# KiCad board USB Cable Tester.kicad_pcb (continued)
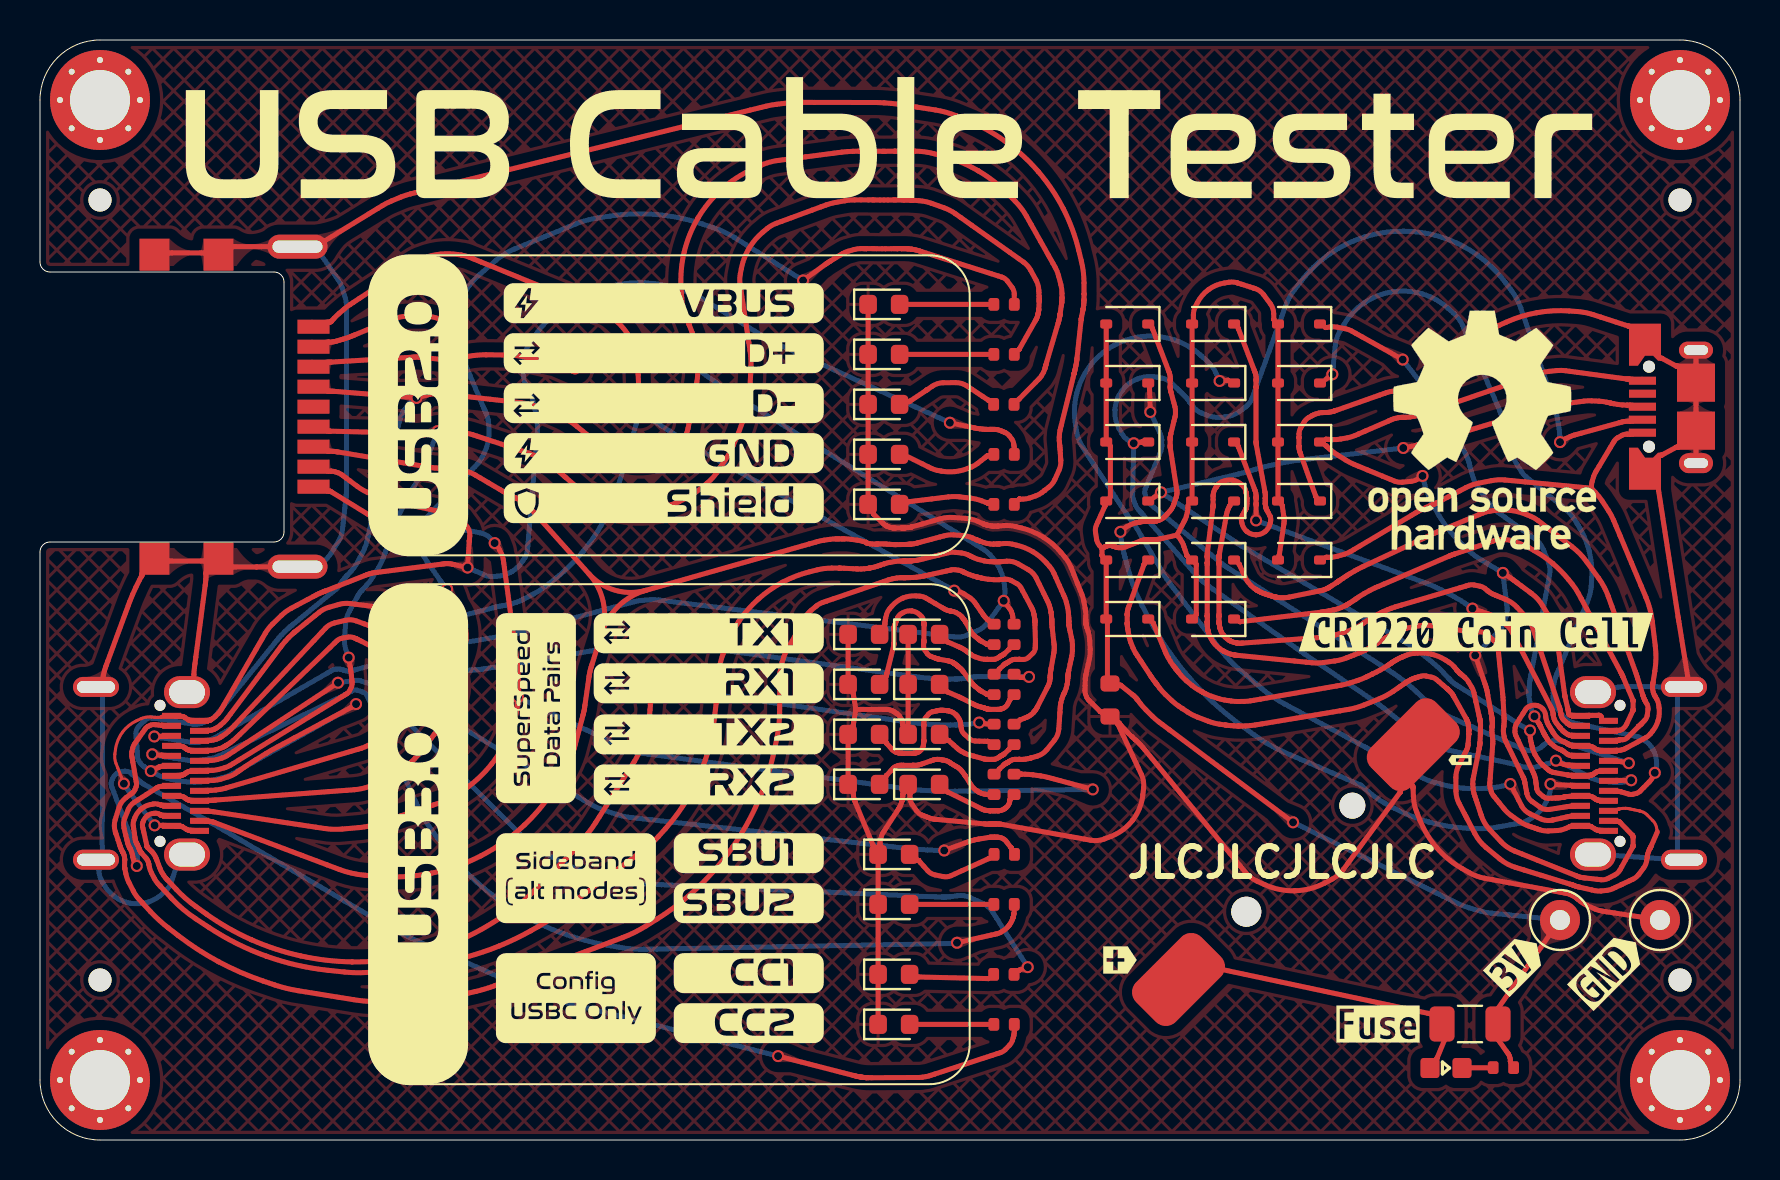
[diagram p0: board, top side]
## Routing (per net, layer and track width the routed paths; a pad name or vN(x,y) marks a point on that pad's centre or on a via; arc(x,y) is an arc through that point) (continued)
Net-(D7-K): length 41.2
  Top w0.25: v1(80.74,18.36) 80.74,18.36 arc(80.74,18.35) 80.73,18.34 80.71,18.28 arc(80.68,18.22) 80.65,18.15 80.57,18.03 arc(80.53,17.97) 80.48,17.92 79.99,17.43 arc(79.91,17.37) 79.83,17.33 79.64,17.29 arc(79.55,17.27) 79.45,17.29 79.01,17.42 arc(78.99,17.42) 78.98,17.43 78.95,17.43 arc(78.93,17.43) 78.91,17.43 78.84,17.43 arc(78.77,17.43) 78.71,17.44 J4.B8 ; v1(64.62,38.29) 64.28,38.02
  Bottom w0.25: v1(80.74,18.36) 80.8,18.52 arc(80.83,18.66) 80.83,18.81 80.82,18.96 arc(80.77,19.24) 80.65,19.52 arc(80.48,19.76) 80.27,19.95 80.15,20.04 arc(80.02,20.12) 79.88,20.16 77.52,20.67 76.67,20.85 arc(76.42,20.96) 76.21,21.14 75.84,21.59 arc(75.71,21.83) 75.66,22.1 75.66,22.51 arc(75.67,22.63) 75.68,22.74 75.73,22.97 arc(75.76,23.08) 75.8,23.19 75.94,23.52 76.97,25.96 77.39,26.96 arc(77.5,27.3) 77.55,27.65 77.58,28.01 arc(77.58,28.72) 77.47,29.43 arc(77.24,30.11) 76.91,30.74 76.71,31.04 arc(76.5,31.33) 76.24,31.58 75.4,32.26 74.77,32.78 74.32,33.15 arc(74.18,33.28) 74.06,33.43 73.85,33.76 arc(73.76,33.93) 73.7,34.12 73.65,34.32 arc(73.65,34.34) 73.64,34.35 73.61,34.46 arc(73.58,34.58) 73.54,34.7 73.15,35.98 73.08,36.19 arc(73.06,36.26) 73.04,36.33 72.98,36.47 arc(72.96,36.54) 72.93,36.6 72.84,36.8 71.12,40.74 arc(70.94,41.07) 70.68,41.34 70.4,41.59 arc(69.79,42.02) 69.09,42.31 arc(68.36,42.44) 67.61,42.41 arc(66.89,42.21) 66.23,41.86 arc(65.65,41.38) 65.2,40.79 65,40.46 arc(64.85,40.12) 64.77,39.75 v1(64.62,38.29)
Net-(D8-A): length 7.7
  Top w0.25: 47.39,19.93 47.38,19.93 arc(47.38,19.93) 47.38,19.93 46.76,19.95 arc(46.61,19.98) 46.47,20.07 46.21,20.29 arc(46.11,20.42) 46.06,20.57 46.02,20.87 arc(46.01,20.93) 45.99,20.98 45.94,21.08 arc(45.91,21.13) 45.88,21.17 45.77,21.28 arc(45.73,21.32) 45.67,21.36 45.57,21.41 arc(45.51,21.44) 45.45,21.45 45.33,21.47 arc(45.3,21.47) 45.28,21.48 arc(45.26,21.48) 45.23,21.48 45.11,21.49 arc(45.08,21.49) 45.05,21.49 45,21.49 arc(44.98,21.48) 44.95,21.48 44.62,21.41 arc(44.51,21.37) 44.43,21.29 44.27,21.1 arc(44.21,21) 44.19,20.88 44.19,20.77 arc(44.19,20.76) 44.19,20.75 44.19,20.74 arc(44.19,20.74) 44.19,20.73 arc(44.19,20.73) 44.19,20.73 44.19,20.72 arc(44.19,20.72) 44.19,20.71 44.19,19.98 arc(44.19,19.98) 44.19,19.97 44.19,19.96 arc(44.19,19.96) 44.19,19.96 arc(44.19,19.95) 44.19,19.95 44.19,19.91 arc(44.19,19.91) 44.19,19.91 arc(44.19,19.9) 44.19,19.9 44.18,19.83 arc(44.18,19.83) 44.18,19.82 44.17,19.71 arc(44.15,19.66) 44.13,19.61 44.06,19.51 arc(44.03,19.47) 43.98,19.44 43.87,19.38 arc(43.85,19.37) 43.83,19.36 43.78,19.35 arc(43.75,19.34) 43.73,19.34 43.67,19.33 arc(43.66,19.33) 43.64,19.33 arc(43.62,19.33) 43.61,19.33 43.2,19.33 arc(43.19,19.33) 43.17,19.33 arc(43.15,19.33) 43.14,19.33 43.12,19.33 arc(43.11,19.34) 43.11,19.34 arc(43.1,19.34) 43.1,19.34 43,19.34 arc(42.98,19.35) 42.97,19.35 arc(42.95,19.35) 42.94,19.35 42.9,19.36 arc(42.89,19.36) 42.87,19.37 42.79,19.4 arc(42.76,19.41) 42.73,19.43 42.67,19.47 arc(42.65,19.49) 42.62,19.51 42.32,19.84 arc(42.32,19.84) 42.32,19.84 42.32,19.84 arc(42.32,19.85) 42.32,19.85
Net-(D9-K): length 57.1
  Top w0.25: J4.B12 78.14,15.48 arc(78.07,15.48) 78.01,15.48 77.93,15.48 arc(77.9,15.48) 77.88,15.49 77.84,15.5 arc(77.82,15.51) 77.8,15.52 77.56,15.67 arc(77.55,15.67) 77.54,15.68 77.53,15.68 arc(77.52,15.68) 77.51,15.68 arc(77.5,15.68) 77.49,15.68 77.44,15.68 arc(77.37,15.68) 77.31,15.69 77.2,15.7 arc(77.02,15.7) 76.85,15.7 76.74,15.69 arc(76.67,15.68) 76.61,15.68 76.54,15.68 arc(76.54,15.68) 76.53,15.68 76.52,15.68 arc(76.51,15.68) 76.5,15.68 arc(76.5,15.67) 76.49,15.67 76.49,15.67 arc(76.48,15.66) 76.47,15.66 76.28,15.57 arc(76.07,15.5) 75.85,15.47 75.41,15.45 arc(75.19,15.46) 74.97,15.52 74.42,15.71 arc(74.19,15.8) 73.98,15.93 73.57,16.21 arc(73.38,16.37) 73.21,16.55 72.66,17.23 arc(72.61,17.31) 72.57,17.4 72.51,17.59 arc(72.49,17.68) 72.49,17.78 72.63,19.66 72.64,19.82 arc(72.64,19.87) 72.64,19.92 72.64,20.03 arc(72.63,20.08) 72.63,20.13 72.62,20.18 arc(72.62,20.18) 72.62,20.19 arc(72.62,20.19) 72.62,20.2 72.61,20.25 arc(72.6,20.31) 72.6,20.37 72.59,20.48 arc(72.6,20.54) 72.6,20.6 72.61,20.72 arc(72.61,20.76) 72.61,20.8 72.61,20.88 arc(72.61,20.92) 72.61,20.96 72.6,21.09 arc(72.6,21.12) 72.59,21.15 72.58,21.21 arc(72.58,21.24) 72.57,21.27 72.56,21.31 arc(72.56,21.33) 72.56,21.34 72.54,21.43 arc(72.52,21.54) 72.5,21.65 72.36,22.4 arc(72.35,22.45) 72.34,22.49 72.32,22.59 arc(72.3,22.64) 72.29,22.69 72.24,22.83 v1(71.76,24.23) ; J3.5 79.64,38.03 arc(79.57,38.04) 79.51,38.04 79.44,38.04 arc(79.42,38.04) 79.41,38.04 79.38,38.04 arc(79.37,38.05) 79.36,38.05 79.32,38.05 76.89,38.38 76.27,38.46 arc(76.06,38.48) 75.86,38.47 75.44,38.43 arc(75.23,38.4) 75.03,38.34 74.44,38.14 69.3,36.37 68.97,36.25 arc(68.86,36.22) 68.74,36.19 68.52,36.16 arc(68.4,36.14) 68.29,36.13 68.07,36.13 arc(67.99,36.13) 67.92,36.11 67.77,36.08 arc(67.69,36.06) 67.62,36.04 67.41,35.95 65.74,35.22 arc(65.57,35.16) 65.39,35.11 65.02,35.05 arc(64.84,35.02) 64.65,35.02 64.45,35.03 arc(64.43,35.03) 64.41,35.03 64.37,35.03 arc(64.35,35.03) 64.33,35.03 64.3,35.03 arc(64.3,35.03) 64.3,35.03 arc(64.3,35.03) 64.3,35.03 ; J4.B1 78.14,20.98 arc(78.09,21) 78.07,21.05 78.07,21.14 arc(78.07,21.16) 78.05,21.18 78.02,21.22 arc(77.99,21.23) 77.97,21.23 77.95,21.23 arc(77.94,21.23) 77.94,21.23 arc(77.94,21.23) 77.93,21.23 77.91,21.23 arc(77.88,21.23) 77.86,21.23 77.44,21.23 arc(77.37,21.23) 77.31,21.23 77.2,21.22 arc(77.02,21.21) 76.85,21.22 76.74,21.23 arc(76.67,21.23) 76.61,21.23 76.53,21.23 arc(76.5,21.24) 76.48,21.25 76.45,21.28 arc(76.43,21.3) 76.43,21.32 76.43,21.34 arc(76.42,21.35) 76.42,21.35 arc(76.42,21.36) 76.42,21.37 76.42,21.39 arc(76.42,21.41) 76.41,21.44 76.4,21.49 arc(76.4,21.52) 76.39,21.54 76.38,21.62 76.26,22.14 arc(76.25,22.15) 76.25,22.16 arc(76.25,22.17) 76.25,22.19 76.24,22.21 arc(76.24,22.22) 76.24,22.24 76.23,22.27 75.89,24.8 75.83,25.21 arc(75.73,25.61) 75.56,25.99 75.13,26.71 arc(74.89,27.04) 74.58,27.32 73.62,28.04 arc(73.56,28.08) 73.49,28.13 73.37,28.21 arc(73.3,28.26) 73.23,28.3 v1(73.14,28.36) ; 64.28,34.73 64.5,34.54 arc(64.68,34.38) 64.88,34.25 65.29,34 arc(65.49,33.88) 65.71,33.78 67.51,33.03 67.71,32.95 arc(67.91,32.9) 68.12,32.89 68.55,32.93 arc(68.75,32.98) 68.93,33.07 v1(69.13,33.2)
  Bottom w0.25: v1(69.13,33.2) 69.22,32.84 arc(69.32,32.5) 69.45,32.18 69.6,31.87 arc(69.93,31.25) 70.32,30.68 arc(70.76,30.14) 71.25,29.65 71.51,29.41 arc(71.78,29.19) 72.07,29 v1(73.14,28.36) 73.29,27.17 73.36,26.59 arc(73.36,26.4) 73.32,26.21 73.19,25.84 arc(73.11,25.67) 73,25.52 72.59,25.1 v1(71.76,24.23)
Net-(D10-A): length 3.5
  Top w0.25: 48.49,22.01 48.49,22.01 arc(48.49,22) 48.49,22 48.49,22 arc(48.49,22) 48.49,22 48.36,21.76 arc(48.34,21.72) 48.31,21.69 48.23,21.63 arc(48.19,21.6) 48.15,21.58 48.07,21.56 arc(48.05,21.55) 48.04,21.55 arc(48.02,21.54) 48,21.54 47.97,21.53 arc(47.95,21.53) 47.93,21.53 47.48,21.53 arc(47.46,21.53) 47.45,21.53 47.42,21.54 arc(47.4,21.54) 47.39,21.54 47.36,21.55 arc(47.35,21.55) 47.34,21.55 arc(47.33,21.56) 47.32,21.56 47.3,21.57 arc(47.29,21.57) 47.29,21.57 47.27,21.58 arc(47.27,21.58) 47.26,21.58 47.25,21.59 arc(47.24,21.59) 47.23,21.6 47.2,21.61 arc(47.19,21.61) 47.17,21.62 46.97,21.67 arc(46.93,21.68) 46.9,21.69 46.82,21.72 arc(46.78,21.74) 46.75,21.75 46.64,21.81 46.11,22.08 arc(46.07,22.1) 46.03,22.12 arc(45.99,22.14) 45.94,22.16 45.39,22.4 arc(45.39,22.4) 45.38,22.4 45.38,22.4 arc(45.38,22.4) 45.38,22.41 45.38,22.41
Net-(D11-A): length 10.1
  Top w0.25: 42.32,23.22 42.32,23.22 arc(42.32,23.22) 42.32,23.22 42.32,23.23 arc(42.32,23.23) 42.33,23.23 arc(42.33,23.23) 42.33,23.23 42.34,23.3 arc(42.34,23.32) 42.35,23.34 arc(42.35,23.36) 42.36,23.38 42.68,24.7 arc(42.69,24.72) 42.69,24.73 42.69,24.76 arc(42.69,24.78) 42.69,24.79 42.69,24.8 arc(42.69,24.81) 42.69,24.81 42.69,24.82 arc(42.69,24.82) 42.69,24.82 42.69,25.54 arc(42.69,25.54) 42.69,25.55 42.69,25.55 arc(42.69,25.55) 42.69,25.56 arc(42.69,25.56) 42.69,25.56 42.7,25.59 arc(42.7,25.6) 42.7,25.61 arc(42.7,25.62) 42.7,25.63 42.7,25.65 arc(42.71,25.66) 42.71,25.66 arc(42.71,25.67) 42.72,25.68 42.73,25.71 arc(42.73,25.71) 42.73,25.72 arc(42.73,25.72) 42.73,25.72 42.76,25.79 arc(42.76,25.8) 42.76,25.8 arc(42.76,25.8) 42.76,25.8 42.89,26.13 arc(42.95,26.23) 43.04,26.3 43.14,26.36 arc(43.36,26.44) 43.59,26.45 arc(43.81,26.39) 43.99,26.26 44.08,26.17 arc(44.15,26.08) 44.18,25.97 44.2,25.82 arc(44.2,25.81) 44.2,25.8 44.2,25.78 arc(44.2,25.77) 44.2,25.76 44.2,25.73 44.19,24.98 arc(44.19,24.98) 44.19,24.98 arc(44.19,24.97) 44.19,24.97 44.19,24.96 arc(44.19,24.96) 44.19,24.96 arc(44.19,24.95) 44.19,24.95 44.19,24.92 arc(44.19,24.91) 44.19,24.9 44.19,24.89 arc(44.19,24.89) 44.19,24.89 arc(44.19,24.89) 44.19,24.89 44.18,24.88 arc(44.18,24.88) 44.18,24.88 44.18,24.87 arc(44.18,24.86) 44.18,24.85 44.18,24.83 arc(44.18,24.82) 44.18,24.81 44.18,24.7 arc(44.2,24.59) 44.24,24.5 44.37,24.31 arc(44.44,24.24) 44.53,24.18 44.81,24.08 arc(44.83,24.07) 44.85,24.07 44.88,24.06 arc(44.9,24.05) 44.92,24.05 45.45,23.95 arc(45.49,23.94) 45.53,23.93 45.6,23.9 arc(45.63,23.88) 45.67,23.86 45.73,23.82 arc(45.73,23.81) 45.74,23.81 arc(45.74,23.81) 45.75,23.8 45.76,23.79 arc(45.78,23.78) 45.79,23.77 arc(45.8,23.76) 45.82,23.75 45.87,23.71 arc(45.87,23.71) 45.87,23.71 45.88,23.7 arc(45.9,23.69) 45.91,23.68 45.91,23.68 arc(45.92,23.67) 45.93,23.66 45.99,23.61 arc(46.01,23.59) 46.03,23.58 arc(46.04,23.56) 46.06,23.54 46.09,23.51 arc(46.11,23.49) 46.12,23.47 46.61,22.83 arc(46.63,22.81) 46.65,22.79 46.69,22.74 arc(46.71,22.72) 46.73,22.7 46.96,22.51 arc(46.97,22.5) 46.98,22.5 47.01,22.48 arc(47.02,22.47) 47.03,22.46 47.32,22.3 arc(47.32,22.3) 47.32,22.3 arc(47.32,22.3) 47.33,22.29 47.33,22.29 arc(47.33,22.29) 47.33,22.29 arc(47.34,22.29) 47.34,22.29 47.38,22.27
Net-(D12-K): length 29.3
  Top w0.25: 59.5,31.73 59.46,31.66 arc(59.43,31.6) 59.4,31.54 59.36,31.41 arc(59.34,31.34) 59.32,31.28 59.31,31.2 arc(59.31,31.19) 59.31,31.18 59.3,31.14 arc(59.3,31.1) 59.29,31.06 58.98,29.35 arc(58.98,29.35) 58.98,29.34 arc(58.98,29.34) 58.98,29.34 58.96,29.24 arc(58.96,29.23) 58.96,29.23 arc(58.96,29.23) 58.96,29.22 58.95,29.21 arc(58.95,29.21) 58.95,29.21 arc(58.95,29.2) 58.95,29.2 58.95,29.16 arc(58.95,29.16) 58.95,29.15 arc(58.95,29.15) 58.95,29.14 58.95,29.13 arc(58.95,29.12) 58.95,29.12 58.95,28.9 arc(58.95,28.89) 58.95,28.87 58.95,28.87 arc(58.95,28.86) 58.95,28.85 arc(58.95,28.85) 58.95,28.84 58.95,28.82 arc(58.95,28.78) 58.95,28.75 58.95,26.3 arc(58.95,26.27) 58.95,26.23 58.95,26.21 arc(58.95,26.2) 58.95,26.2 arc(58.95,26.19) 58.95,26.18 58.95,26.18 arc(58.95,26.16) 58.95,26.15 58.95,25.95 arc(58.95,25.94) 58.95,25.92 arc(58.95,25.91) 58.95,25.89 58.95,25.86 arc(58.95,25.85) 58.95,25.84 58.95,25.83 arc(58.95,25.82) 58.96,25.82 58.98,25.69 arc(58.99,25.66) 58.99,25.63 59,25.6 arc(59,25.6) 59,25.6 arc(59,25.6) 59,25.6 59.01,25.55 arc(59.03,25.5) 59.05,25.45 59.09,25.36 arc(59.12,25.31) 59.15,25.27 59.21,25.19 arc(59.25,25.15) 59.28,25.12 59.36,25.05 arc(59.4,25.02) 59.44,25 59.49,24.97 arc(59.49,24.97) 59.49,24.97 arc(59.49,24.97) 59.49,24.97 59.49,24.97 arc(59.49,24.97) 59.49,24.97 arc(59.5,24.97) 59.5,24.97 59.54,24.94 arc(59.58,24.93) 59.62,24.91 59.71,24.88 arc(59.75,24.87) 59.79,24.86 59.87,24.85 arc(59.9,24.84) 59.93,24.84 59.99,24.84 arc(60.02,24.84) 60.05,24.84 60.15,24.85 63.86,25.12 64.16,25.14 arc(64.25,25.15) 64.35,25.16 64.55,25.2 arc(64.65,25.22) 64.74,25.25 65.14,25.36 65.33,25.42 arc(65.46,25.47) 65.59,25.52 65.84,25.64 arc(65.96,25.7) 66.08,25.78 66.21,25.87 arc(66.22,25.88) 66.24,25.89 66.34,25.96 arc(66.41,26) 66.49,26.05 arc(66.56,26.09) 66.63,26.13 66.7,26.17 arc(66.74,26.2) 66.77,26.22 arc(66.81,26.24) 66.84,26.25 66.99,26.33 arc(67.02,26.35) 67.06,26.37 67.19,26.43 arc(67.28,26.47) 67.38,26.51 67.57,26.59 arc(67.66,26.62) 67.76,26.65 68.06,26.74 71.01,27.61 71.43,27.74 arc(71.57,27.76) 71.72,27.75 72,27.69 arc(72.14,27.64) 72.26,27.57 72.42,27.43 arc(72.46,27.4) 72.5,27.38 72.57,27.33 arc(72.61,27.31) 72.65,27.29 73.29,27.02 arc(73.59,26.86) 73.84,26.64 74.31,26.14 arc(74.51,25.87) 74.65,25.56 74.98,24.59 75.96,21.67 75.99,21.57 arc(76,21.53) 76.01,21.5 76.03,21.43 arc(76.03,21.39) 76.04,21.36 76.04,21.33 arc(76.04,21.32) 76.04,21.31 arc(76.04,21.3) 76.04,21.3 76.05,21.26 arc(76.06,21.22) 76.07,21.17 76.11,21.09 arc(76.14,21.05) 76.17,21.02 76.35,20.84 arc(76.36,20.84) 76.36,20.84 76.37,20.83 arc(76.38,20.82) 76.38,20.82 arc(76.39,20.82) 76.39,20.82 76.49,20.75 arc(76.49,20.74) 76.5,20.74 76.52,20.74 arc(76.53,20.73) 76.54,20.73 76.61,20.73 arc(76.67,20.73) 76.74,20.73 J4.A11
Net-(D13-A): length 3.5
  Top w0.25: 45.41,19.98 45.41,19.98 arc(45.41,19.98) 45.41,19.98 45.41,19.98 arc(45.42,19.98) 45.42,19.98 45.42,19.98 arc(45.43,19.98) 45.43,19.97 arc(45.43,19.97) 45.43,19.97 45.91,19.55 arc(45.98,19.49) 46.06,19.44 46.24,19.34 arc(46.32,19.3) 46.42,19.27 46.7,19.19 47.21,19.05 arc(47.23,19.05) 47.26,19.04 47.31,19.03 arc(47.33,19.03) 47.36,19.03 47.68,19.03 arc(47.71,19.03) 47.75,19.04 47.81,19.06 arc(47.85,19.07) 47.88,19.09 48,19.18 arc(48.01,19.18) 48.02,19.19 48.04,19.2 arc(48.05,19.21) 48.07,19.21 48.07,19.22 arc(48.08,19.22) 48.08,19.22 arc(48.08,19.22) 48.09,19.22 arc(48.09,19.23) 48.09,19.23 48.1,19.23 arc(48.1,19.23) 48.11,19.23 arc(48.11,19.24) 48.11,19.24 48.15,19.26 arc(48.15,19.26) 48.16,19.27 arc(48.16,19.27) 48.17,19.27 48.18,19.28 arc(48.18,19.28) 48.19,19.29 48.2,19.3 arc(48.21,19.31) 48.22,19.31 arc(48.23,19.32) 48.24,19.33 48.44,19.52 arc(48.44,19.52) 48.44,19.52 48.44,19.52 arc(48.44,19.52) 48.44,19.53
Net-(D14-A): length 4.4
  Top w0.25: 43.42,34.15 44.56,33.58 arc(44.72,33.52) 44.89,33.48 45.06,33.45 arc(45.4,33.41) 45.75,33.42 45.75,33.42 arc(46.09,33.48) 46.42,33.59 46.58,33.65 arc(46.74,33.73) 46.88,33.83 47.34,34.19 arc(47.35,34.19) 47.35,34.2 arc(47.36,34.21) 47.37,34.21 47.39,34.22 arc(47.4,34.22) 47.41,34.22 47.42,34.22
Net-(D15-K): length 52.5
  Top w0.25: J3.3 79.64,36.73 arc(79.57,36.74) 79.51,36.74 79.34,36.74 arc(79.22,36.74) 79.11,36.75 78.89,36.78 arc(78.78,36.79) 78.67,36.82 78.57,36.84 arc(78.56,36.84) 78.54,36.84 arc(78.53,36.85) 78.51,36.85 78.34,36.89 arc(78.15,36.92) 77.96,36.94 77.57,36.96 arc(77.38,36.96) 77.19,36.94 76.62,36.87 75.72,36.75 arc(75.68,36.74) 75.64,36.74 75.57,36.72 arc(75.53,36.71) 75.5,36.7 75.39,36.67 69.51,34.9 69.32,34.85 arc(69.26,34.83) 69.19,34.81 69.07,34.78 arc(69,34.77) 68.94,34.76 68.88,34.75 arc(68.87,34.75) 68.87,34.74 arc(68.86,34.74) 68.86,34.74 68.84,34.74 arc(68.81,34.73) 68.78,34.73 v1(68.16,34.6) ; J4.B6 78.14,18.44 arc(78.07,18.43) 78.01,18.43 77.94,18.43 arc(77.94,18.43) 77.94,18.43 77.93,18.43 arc(77.92,18.43) 77.92,18.43 arc(77.92,18.43) 77.91,18.43 77.85,18.41 arc(77.83,18.4) 77.81,18.39 77.77,18.37 arc(77.76,18.36) 77.74,18.35 77.73,18.34 arc(77.73,18.34) 77.72,18.33 arc(77.72,18.33) 77.72,18.33 77.71,18.32 arc(77.69,18.3) 77.67,18.29 77.64,18.27 arc(77.62,18.26) 77.6,18.26 77.53,18.24 arc(77.52,18.24) 77.52,18.23 77.51,18.23 arc(77.51,18.23) 77.5,18.23 77.44,18.23 arc(77.37,18.23) 77.31,18.23 77.2,18.22 arc(77.02,18.21) 76.85,18.22 76.74,18.23 arc(76.67,18.23) 76.61,18.23 76.53,18.23 arc(76.51,18.23) 76.49,18.23 76.45,18.24 arc(76.44,18.24) 76.42,18.24 76.36,18.25 75.65,18.39 arc(75.61,18.4) 75.58,18.41 75.5,18.44 arc(75.47,18.46) 75.44,18.49 75.11,18.77 arc(75,18.88) 74.91,19.01 74.75,19.28 arc(74.68,19.42) 74.63,19.57 74.54,19.96 arc(74.52,20.03) 74.51,20.1 74.5,20.25 arc(74.5,20.32) 74.5,20.39 v1(74.5,20.48) ; v1(56.05,32.38) 55.69,32.12
  Bottom w0.25: v1(68.16,34.6) 64.08,34.12 62.96,33.99 arc(62.59,33.94) 62.22,33.87 61.48,33.72 arc(61.12,33.63) 60.76,33.53 60.38,33.42 arc(60.37,33.41) 60.35,33.41 60.22,33.37 arc(60.07,33.33) 59.92,33.3 v1(56.05,32.38) 59.96,29.78 arc(59.99,29.76) 60.02,29.74 arc(60.06,29.72) 60.09,29.69 67.36,25.41 68.37,24.82 arc(68.69,24.61) 69.01,24.38 69.61,23.89 arc(69.91,23.63) 70.18,23.36 70.44,23.07 70.51,23 arc(70.55,22.96) 70.6,22.92 70.69,22.84 arc(70.73,22.81) 70.78,22.78 70.93,22.68 74.29,20.58 74.35,20.54 arc(74.37,20.53) 74.39,20.52 74.43,20.5 arc(74.45,20.49) 74.47,20.49 74.49,20.48 arc(74.49,20.48) 74.5,20.48 v1(74.5,20.48)
Net-(D16-A): length 4.5
  Top w0.25: 43.42,36.91 43.43,36.91 arc(43.44,36.91) 43.45,36.92 43.46,36.92 arc(43.47,36.92) 43.48,36.93 43.5,36.94 44.31,37.48 arc(44.32,37.49) 44.33,37.5 44.34,37.5 arc(44.34,37.5) 44.35,37.51 44.61,37.69 arc(44.88,37.82) 45.17,37.86 45.78,37.87 arc(46.08,37.83) 46.35,37.7 47.4,37 arc(47.41,37) 47.41,36.99 47.42,36.99 arc(47.42,36.99) 47.42,36.99
Net-(D17-K): length 30.8
  Top w0.25: J4.B3 78.65,19.97 arc(78.71,19.98) 78.77,19.98 78.8,19.98 arc(78.84,19.98) 78.87,19.98 78.9,19.98 arc(78.91,19.98) 78.92,19.98 arc(78.93,19.99) 78.94,19.99 arc(78.95,19.99) 78.95,20 arc(78.96,20) 78.97,20.01 arc(78.98,20.01) 78.99,20.01 79.12,20.01 arc(79.25,20.04) 79.37,20.11 79.91,20.65 arc(79.91,20.66) 79.91,20.67 arc(79.92,20.68) 79.92,20.68 79.93,20.69 arc(79.95,20.7) 79.96,20.71 arc(79.98,20.73) 80,20.74 arc(80.01,20.75) 80.03,20.77 arc(80.04,20.78) 80.06,20.8 80.24,20.99 arc(80.32,21.11) 80.36,21.24 80.4,21.53 arc(80.39,21.67) 80.35,21.8 80.26,21.95 arc(80.25,21.96) 80.24,21.98 80.24,22 arc(80.22,22.04) 80.2,22.07 arc(80.19,22.11) 80.17,22.15 arc(80.16,22.18) 80.15,22.22 80.12,22.3 79.89,23.06 arc(79.87,23.12) 79.85,23.18 arc(79.83,23.24) 79.81,23.3 arc(79.79,23.36) 79.77,23.41 78.94,25.71 78.41,27.18 arc(78.21,27.65) 77.93,28.09 77.32,28.93 arc(76.99,29.32) 76.6,29.67 76.05,30.09 74.9,30.98 arc(74.73,31.09) 74.54,31.18 74.35,31.26 arc(73.96,31.4) 73.55,31.48 arc(73.14,31.5) 72.73,31.48 72.53,31.45 arc(72.32,31.41) 72.13,31.34 71.55,31.1 70.3,30.59 arc(70.26,30.57) 70.23,30.55 70.2,30.54 arc(70.19,30.54) 70.18,30.53 arc(70.16,30.53) 70.15,30.52 70.15,30.52 arc(70.13,30.52) 70.12,30.51 70.09,30.5 arc(70.08,30.5) 70.07,30.49 70.05,30.48 arc(70.01,30.47) 69.98,30.45 arc(69.94,30.44) 69.91,30.42 arc(69.87,30.41) 69.84,30.39 69.77,30.36 66.46,28.81 66.09,28.64 arc(65.97,28.58) 65.85,28.52 65.73,28.45 arc(65.62,28.39) 65.5,28.32 65.41,28.26 arc(65.39,28.25) 65.36,28.23 65.27,28.17 arc(65.21,28.13) 65.15,28.09 65.14,28.08 arc(65.09,28.05) 65.03,28.01 65,27.99 arc(64.98,27.97) 64.96,27.96 64.95,27.96 arc(64.95,27.95) 64.94,27.95 64.93,27.94 arc(64.93,27.94) 64.92,27.93 arc(64.92,27.93) 64.91,27.93 64.9,27.92 arc(64.9,27.92) 64.89,27.91 arc(64.88,27.91) 64.87,27.9 arc(64.87,27.9) 64.86,27.89 64.85,27.88 arc(64.84,27.88) 64.84,27.88 arc(64.83,27.87) 64.83,27.87 64.6,27.72 arc(64.56,27.69) 64.52,27.67 64.49,27.65 arc(64.48,27.64) 64.46,27.63 64.45,27.63 arc(64.45,27.62) 64.44,27.62 arc(64.43,27.62) 64.42,27.61 64.4,27.6 arc(64.38,27.59) 64.36,27.58 64.33,27.56 arc(64.29,27.54) 64.24,27.52 64.24,27.52 arc(64.19,27.51) 64.14,27.49 arc(64.09,27.48) 64.04,27.47 62.39,27.13 arc(62.31,27.12) 62.23,27.11 62.07,27.11 arc(61.99,27.11) 61.91,27.13 61.77,27.15 arc(61.77,27.15) 61.76,27.15 61.74,27.16 arc(61.72,27.16) 61.69,27.17 arc(61.67,27.17) 61.64,27.18 arc(61.62,27.19) 61.6,27.19 61.48,27.23 arc(61.48,27.23) 61.48,27.23 61.4,27.26 arc(61.38,27.26) 61.37,27.27 arc(61.35,27.27) 61.33,27.28 arc(61.32,27.28) 61.3,27.29 61.22,27.31 arc(61.19,27.32) 61.16,27.34 arc(61.13,27.35) 61.11,27.36 arc(61.08,27.37) 61.05,27.38 61.02,27.4 arc(61.02,27.4) 61.02,27.4 60.95,27.43 arc(60.94,27.44) 60.92,27.45 arc(60.9,27.46) 60.89,27.47 arc(60.87,27.48) 60.85,27.49 60.85,27.5 arc(60.84,27.5) 60.83,27.51 60.8,27.52 arc(60.8,27.53) 60.8,27.53 60.8,27.53 arc(60.8,27.53) 60.8,27.53 60.8,27.53 arc(60.79,27.53) 60.79,27.53 arc(60.79,27.53) 60.79,27.54 60.7,27.59 arc(60.62,27.66) 60.54,27.73 60.41,27.89 arc(60.34,27.98) 60.29,28.07 59.96,28.79 arc(59.96,28.79) 59.95,28.79 59.95,28.8
Net-(D18-A): length 4.1
  Top w0.25: 43.42,31.91 43.42,31.91 arc(43.42,31.91) 43.42,31.91 43.43,31.91 arc(43.43,31.91) 43.43,31.91 arc(43.43,31.91) 43.44,31.91 44.59,32.05 45.42,32.16 arc(45.7,32.17) 45.98,32.16 46.54,32.09 arc(46.81,32.04) 47.08,31.96 47.37,31.85 arc(47.38,31.85) 47.38,31.85 arc(47.39,31.85) 47.39,31.84 47.41,31.84 arc(47.41,31.84) 47.42,31.84 47.42,31.84
Net-(D19-K): length 47.5
  Top w0.25: J4.B9 78.14,16.98 arc(78.07,16.98) 78.01,16.98 77.94,16.98 arc(77.94,16.98) 77.94,16.98 77.93,16.98 arc(77.92,16.99) 77.92,16.99 arc(77.92,16.99) 77.91,16.99 77.85,17.01 arc(77.83,17.01) 77.81,17.02 77.77,17.04 arc(77.76,17.05) 77.74,17.07 77.73,17.08 arc(77.73,17.08) 77.72,17.08 arc(77.72,17.08) 77.72,17.09 77.71,17.1 arc(77.69,17.11) 77.67,17.12 77.64,17.15 arc(77.62,17.15) 77.6,17.16 77.53,17.18 arc(77.52,17.18) 77.52,17.18 77.51,17.18 arc(77.51,17.18) 77.5,17.18 77.44,17.18 arc(77.37,17.18) 77.31,17.19 77.2,17.2 arc(77.02,17.2) 76.85,17.2 76.74,17.19 arc(76.67,17.18) 76.61,17.18 76.51,17.18 arc(76.46,17.18) 76.42,17.18 76.33,17.17 arc(76.29,17.16) 76.25,17.16 76.15,17.14 arc(76.11,17.13) 76.08,17.12 76,17.11 arc(75.96,17.11) 75.92,17.11 75.42,17.08 arc(75.29,17.1) 75.17,17.17 74.96,17.35 arc(74.88,17.45) 74.84,17.57 74.78,18.01 arc(74.77,18.06) 74.76,18.11 74.73,18.21 arc(74.71,18.25) 74.7,18.3 74.63,18.44 73.78,20.24 arc(73.75,20.33) 73.75,20.43 73.76,20.62 arc(73.78,20.71) 73.82,20.8 74.3,21.56 arc(74.35,21.62) 74.43,21.67 74.51,21.7 arc(74.68,21.74) 74.85,21.73 arc(75.01,21.66) 75.14,21.55 75.15,21.55 arc(75.23,21.41) 75.28,21.25 arc(75.28,21.24) 75.28,21.23 75.29,21.15 arc(75.3,21.09) 75.32,21.02 75.36,20.88 arc(75.39,20.82) 75.42,20.76 75.58,20.5 arc(75.59,20.48) 75.6,20.46 arc(75.62,20.43) 75.63,20.41 75.75,20.23 arc(75.8,20.17) 75.85,20.12 75.97,20.03 arc(76.03,19.98) 76.1,19.95 76.17,19.92 arc(76.17,19.92) 76.18,19.92 arc(76.18,19.92) 76.19,19.92 76.21,19.91 arc(76.23,19.9) 76.25,19.88 76.3,19.86 arc(76.33,19.85) 76.35,19.83 76.38,19.81 arc(76.38,19.81) 76.38,19.81 arc(76.39,19.81) 76.39,19.8 76.39,19.8 arc(76.4,19.8) 76.4,19.8 arc(76.4,19.8) 76.41,19.8 76.48,19.75 arc(76.49,19.75) 76.49,19.75 arc(76.5,19.74) 76.51,19.74 76.53,19.74 arc(76.53,19.73) 76.54,19.73 76.61,19.73 arc(76.67,19.73) 76.74,19.73 77.31,19.69 arc(77.37,19.68) 77.44,19.68 77.5,19.68 arc(77.51,19.68) 77.51,19.68 77.52,19.68 arc(77.52,19.68) 77.53,19.68 77.6,19.66 arc(77.62,19.65) 77.64,19.64 77.67,19.62 arc(77.69,19.61) 77.71,19.6 77.72,19.59 arc(77.72,19.59) 77.72,19.58 arc(77.73,19.58) 77.73,19.58 77.74,19.57 arc(77.76,19.55) 77.77,19.54 77.81,19.52 arc(77.83,19.51) 77.85,19.51 arc(77.87,19.5) 77.89,19.5 77.91,19.49 arc(77.92,19.49) 77.92,19.49 arc(77.92,19.49) 77.93,19.48 77.94,19.48 arc(77.94,19.48) 77.94,19.48 78.01,19.48 arc(78.07,19.48) 78.14,19.48 78.25,19.47 arc(78.42,19.46) 78.6,19.47 78.71,19.48 arc(78.77,19.48) 78.84,19.48 78.95,19.48 arc(79,19.49) 79.05,19.5 79.15,19.52 arc(79.2,19.54) 79.24,19.56 79.38,19.63 80.29,20.12 arc(80.42,20.21) 80.53,20.32 80.63,20.44 arc(80.79,20.7) 80.91,20.99 arc(80.96,21.29) 80.95,21.6 80.94,21.76 arc(80.9,21.91) 80.84,22.05 80.76,22.18 arc(80.76,22.18) 80.76,22.19 arc(80.75,22.19) 80.75,22.19 80.71,22.26 arc(80.68,22.33) 80.66,22.41 80.63,22.56 arc(80.62,22.64) 80.63,22.72 80.65,22.88 80.74,23.46 arc(80.8,24.07) 80.76,24.7 80.61,25.94 arc(80.5,26.55) 80.3,27.14 79.57,28.87 79,30.21 78.68,30.98 arc(78.56,31.23) 78.42,31.47 78.12,31.94 arc(77.95,32.17) 77.77,32.37 77.57,32.58 ; J3.1 79.64,35.3 arc(79.57,35.29) 79.51,35.29 79.33,35.29 arc(79.21,35.28) 79.09,35.23 78.88,35.11 arc(78.78,35.04) 78.71,34.94 77.95,33.69 77.77,33.38 arc(77.72,33.28) 77.68,33.17 77.61,32.95 arc(77.59,32.84) 77.57,32.72 77.57,32.61 arc(77.57,32.6) 77.57,32.6 ; 77.56,32.59 74.25,32.9 73.25,33 arc(72.92,33.01) 72.58,32.97 71.92,32.84 arc(71.6,32.75) 71.3,32.62 69.87,31.87 69.81,31.84 arc(69.79,31.83) 69.77,31.82 69.73,31.81 arc(69.71,31.8) 69.69,31.79 69.53,31.73 arc(69.42,31.68) 69.31,31.63 69.09,31.53 arc(68.99,31.47) 68.88,31.42 65.99,29.69 65.53,29.42 arc(65.37,29.34) 65.21,29.28 64.87,29.19 arc(64.69,29.15) 64.52,29.14 64.3,29.13 ; 77.56,32.59 arc(77.57,32.59) 77.57,32.6 ; 77.56,32.59 arc(77.57,32.59) 77.57,32.58 ; 77.57,32.58 arc(77.57,32.59) 77.57,32.6
